# Altium PCB Center Console.PcbDoc
Units mm, origin at the board's own origin, x right, y up, seen from the top; angles counter-clockwise.
Board outline 100 x 60 mm, 2 copper layers (Top Layer, Bottom Layer); 89 components, 112 nets, 366 pads, 273 vias.
Unrouted connection lines stored in the file: 73.
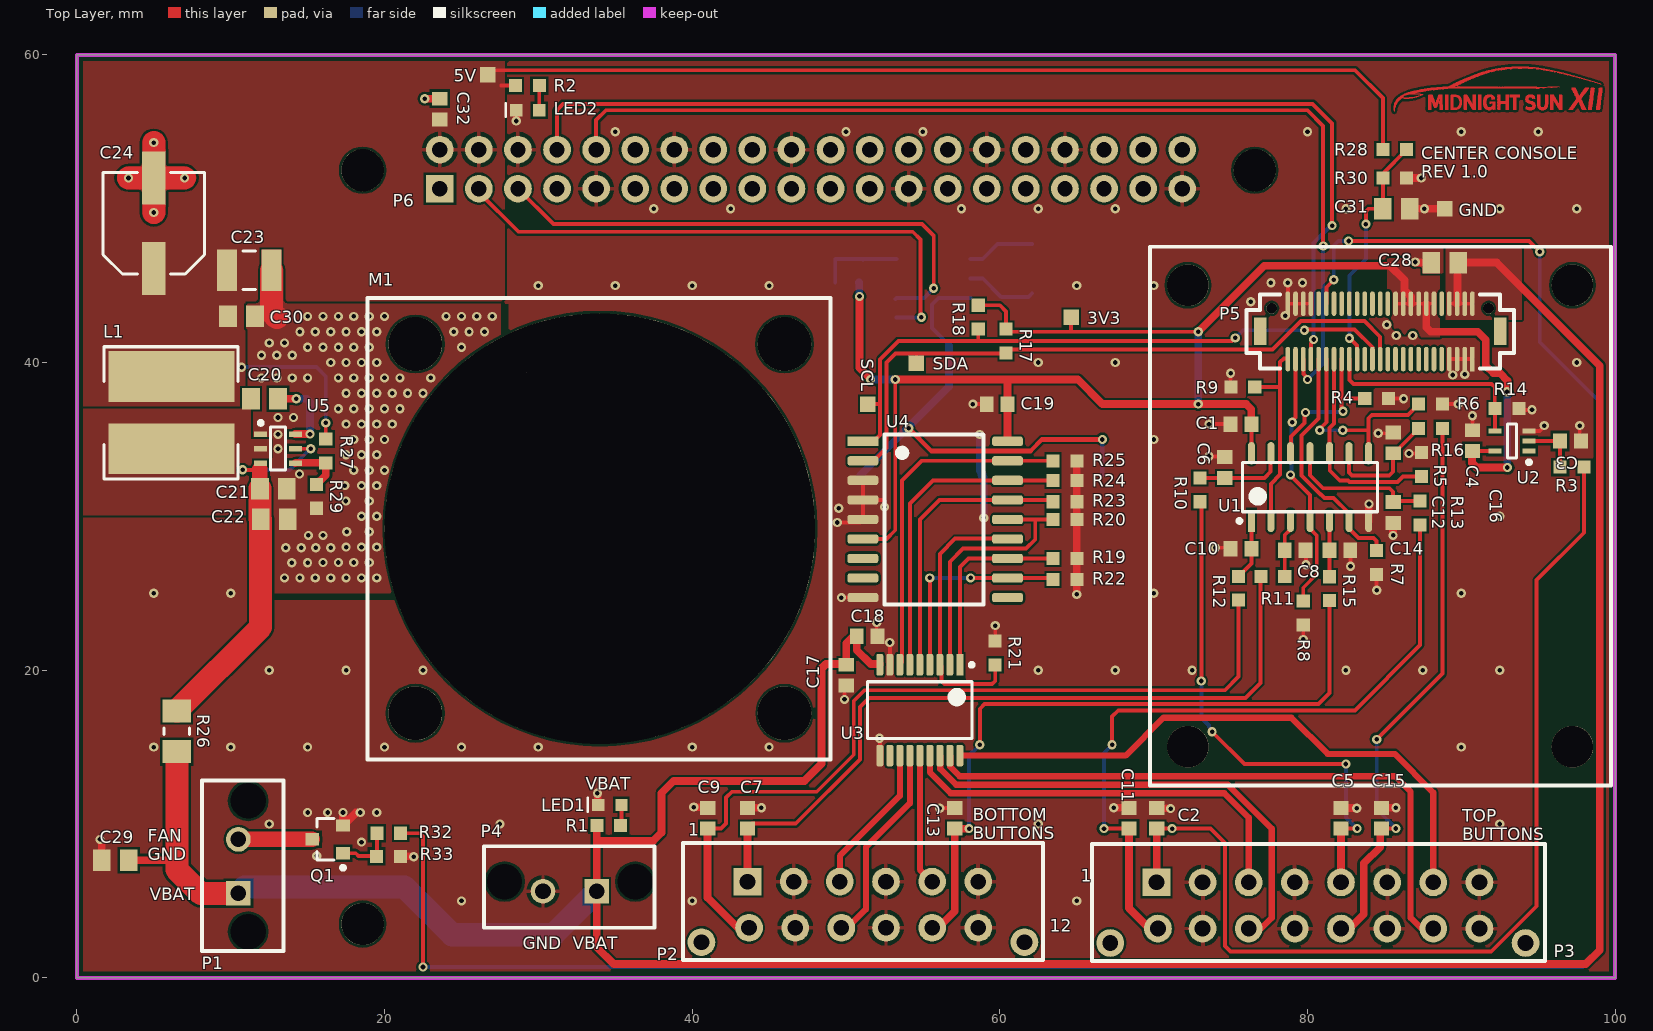
[diagram p0: Top Layer view]
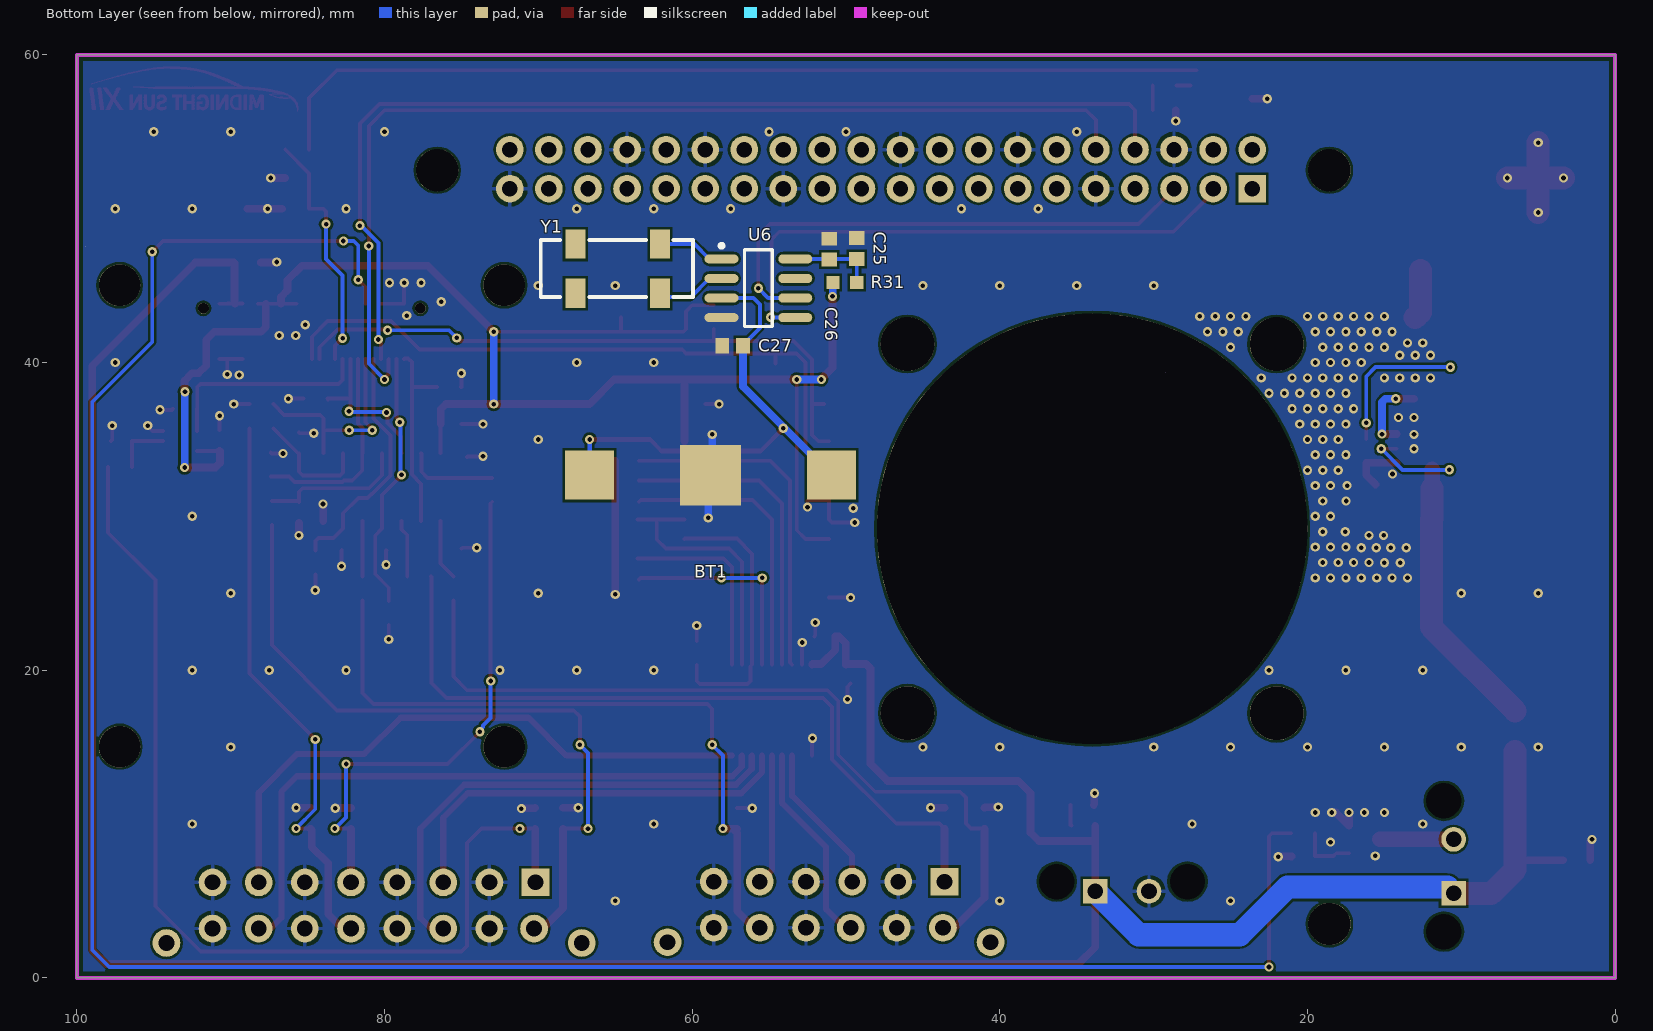
[diagram p1: Bottom Layer view, seen from below]

## Layer stack, top to bottom
Top Solder: solder mask 0.0102, Solder Resist, Dk 3.5
Top Layer: signal copper 0.0356
Dielectric 1: dielectric 0.32, FR-4, Dk 4.8
Bottom Layer: signal copper 0.0356
Bottom Solder: solder mask 0.0102, Solder Resist, Dk 3.5

## Board outline
0,0 0,60 100,60 100,0
cut-out: 99.443,47.525
cut-out: 29.224,39.37

## Design rules (kind name [scope] priority, off if disabled: settings)
BoardOutlineClearance [All] p1: gap=0.406 ignorepadtopadclearanceinfootprint=FALSE
Clearance [All] p1: gap=0.152 ignorepadtopadclearanceinfootprint=FALSE except(0: Arc-Hole Track-Hole SMDPad-Hole THPad-Hole Via-Hole Fill-Hole Poly-Hole Region-Hole Text-Hole)
ComponentClearance ComponentClearance_RaspPi [Identifier= 'Raspberry Pi 3'] p1: gap=0 collisioncheckmode=3 verticalgap=0 showdistances=FALSE
ComponentClearance ComponentClearance_NetTies [HasFootprint('NET TIE 0.25MM')] p2: gap=0 collisioncheckmode=3 verticalgap=0 showdistances=FALSE
ComponentClearance ComponentClearance_ControllerBoard [InComponent('P5') vs Identifier = 'Controller_Board'] p3: gap=0 collisioncheckmode=3 verticalgap=0 showdistances=FALSE
ComponentClearance ComponentClearance_Standoffs [Identifier = 'Standoff' vs Identifier = 'Controller_Board'] p4: gap=0 collisioncheckmode=3 verticalgap=0 showdistances=FALSE
ComponentClearance [All] p5: gap=0.254 collisioncheckmode=3 verticalgap=0.254 showdistances=FALSE
HoleSize [All] p1: absolutevalues=TRUE maxlimit=6.3 minlimit=0.3 maxpercent=80.000 minpercent=20.000
MinimumAnnularRing [All] p1: minimumring=0.15
MinimumSolderMaskSliver [All] p1: minsoldermaskwidth=0.3
PolygonConnect [IsPad and OnMultiLayer] p1: connectstyle=Relief reliefconductorwidth=0.254 reliefentries=4 polygonreliefangle="90 Angle" airgapwidth=0.254
PolygonConnect PolygonConnect_NoThermal [All] p2: connectstyle=Direct reliefconductorwidth=0.254 reliefentries=4 polygonreliefangle="90 Angle" airgapwidth=0.254
RoutingVias [All] p1: holewidth=0.3 width=0.6 viastyle="Through Hole" minholewidth=0.3 minwidth=0.6 maxholewidth=0.711 maxwidth=1.27
SilkToSolderMaskClearance [IsPad] p1: minsilkscreentomaskgap=0.178 clearancetoexposedcopper=TRUE
SolderMaskExpansion [All] p1: expansion=0.102
Width [All] p1: maxlimit=2.54 minlimit=0.152 preferedwidth=0.254
26 further rules are at their usual default settings.

## Classes and differential pairs
component class rPi: BT1 C20 C21 C22 C23 C24 C25 C26 C27 C29 C30 C31 C32 L1 M1 P6 Q1 R26 R27 R28 R29 R30 R31 R32 R33 U5 U6 Y1
component class leds: C17 C18 C19 R17 R18 R19 R20 R21 R22 R23 R24 R25 U3 U4
component class connectors: 3V3 5V C28 GND LED1 LED2 NT1 NT2 NT3 NT4 NT5 NT6 NT7 NT8 NT9 NT10 NT11 NT12 NT13 NT14 P1 P2 P3 P4 P5 R1 R2 SCL SDA
component class buttons: C1 C2 C3 C4 C5 C6 C7 C8 C9 C10 C11 C12 C13 C14 C15 C16 R3 R4 R5 R6 R7 R8 R9 R10 R11 R12 R13 R14 R15 R16 U1 U2

## Components (designator, comment, footprint, x,y, rotation, side; value= is the part's Value field where it differs from the comment)
3V3 "Test Point" "Test Point" 64.635,42.938 r90 top (schematic designator TP2)
5V "Test Point" "Test Point" 26.717,58.7 r90 top (schematic designator TP3)
BT1 "HOLDER BATTERY COIN 12MM DIA" "HOLDER COIN CELL 1220 3V" 50.93,32.675 r0 bottom
C1 "CAP CER 0.1UF 50V 10% X7R 0603" "CAP, 0603" 75.68,36 r180 top
C2 "CAP CER 10nF 50V 5% X7R 0603" "CAP, 0603" 70.2,10.375 r90 top
C3 "CAP CER 0.1UF 50V 10% X7R 0603" "CAP, 0603" 97.1,34.9 r0 top
C4 "CAP CER 0.1UF 50V 10% X7R 0603" "CAP, 0603" 90.725,34.925 r90 top
C5 "CAP CER 10nF 50V 5% X7R 0603" "CAP, 0603" 82.18,10.375 r90 top
C6 "CAP CER 0.1UF 50V 10% X7R 0603" "CAP, 0603" 74.628,33.175 r90 top
C7 "CAP CER 10nF 50V 5% X7R 0603" "CAP, 0603" 43.6,10.375 r90 top
C8 "CAP CER 0.1UF 50V 10% X7R 0603" "CAP, 0603" 79.2,27.8 r0 top
C9 "CAP CER 10nF 50V 5% X7R 0603" "CAP, 0603" 41,10.375 r90 top
C10 "CAP CER 0.1UF 50V 10% X7R 0603" "CAP, 0603" 75.68,27.9 r180 top
C11 "CAP CER 10nF 50V 5% X7R 0603" "CAP, 0603" 68.4,10.375 r90 top
C12 "CAP CER 0.1UF 50V 10% X7R 0603" "CAP, 0603" 85.565,30.25 r270 top
C13 "CAP CER 10nF 50V 5% X7R 0603" "CAP, 0603" 57.075,10.375 r90 top
C14 "CAP CER 0.1UF 50V 10% X7R 0603" "CAP, 0603" 82.105,27.8 r0 top
C15 "CAP CER 10nF 50V 5% X7R 0603" "CAP, 0603" 84.815,10.375 r90 top
C16 "CAP CER 0.1UF 50V 10% X7R 0603" "CAP, 0603" 85.565,34.775 r90 top
C17 "CAP CER 1UF 50V 10% X7R 0603" "CAP, 0603" 50.025,19.675 r270 top
C18 "CAP CER 0.1UF 50V 10% X7R 0603" "CAP, 0603" 51.375,22.2 r0 top
C19 "CAP CER 0.1UF 50V 10% X7R 0603" "CAP, 0603" 59.825,37.3 r180 top
C20 "CAP CER 0.1UF 100V 10% X7R 0805" "CAP, 0805" 12.2,37.65 r180 top
C21 "CAP CER 22UF 35V X5R 0805" "CAP, 0805" 12.775,31.8 r0 top
C22 "CAP CER 0.1UF 100V 10% X7R 0805" "CAP, 0805" 12.825,29.8 r0 top
C23 "CAP CER 47UF 6.3V X7R 1210" 1210 11.2,46 r0 top
C24 "47UF" "CAP ALUM 6.3MM RADIAL SMD" 5,49.05 r90 top
C25 "CAP CER 2.2UF 25V 10% X5R 0603" "CAP, 0603" 49.3,47.41 r90 bottom
C26 "CAP CER 1UF 50V 10% X7R 0603" "CAP, 0603" 51.1,47.375 r90 bottom
C27 "CAP CER 1UF 50V 10% X7R 0603" "CAP, 0603" 57.375,41.1 r0 bottom
C28 "CAP CER 10uF 25V 10% X5R 0805" "CAP, 0805" 88.925,46.5 r180 top
C29 "CAP CER 10uF 25V 10% X5R 0805" "CAP, 0805" 2.5,7.65 r180 top
C30 "CAP CER 0.1UF 100V 10% X7R 0805" "CAP, 0805" 10.7,43 r0 top
C31 "CAP CER 0.1UF 100V 10% X7R 0805" "CAP, 0805" 85.775,50 r0 top
C32 "CAP CER 0.1UF 50V 10% X7R 0603" "CAP, 0603" 23.589,56.475 r90 top
GND "Test Point" "Test Point" 88.925,50 r90 top (schematic designator TP1)
L1 "IND 3.3uH 5.2A 20MOHM SMD" "IND 3.3UH 5.2A 20 MOHM SMD VLP8040" 6.15,34.4 r90 top
LED1 "LED GREEN CLEAR 2V 0603" LED_0603 35.35,11.25 r180 top
LED2 "LED BLUE CLEAR 2.8V 0603" LED_0603 30.013,56.41 r180 top
M1 "FAN AXIAL 30x10MM 12VDC" "FAN AXIAL 30X10MM 12VDC" 22,41.2 r0 top
P1 "CONN 2POS ULTRA-FIT NATURAL COLOR 0.138\"" "CONN, 2POS ULTRA-FIT - NATURAL COLOR" 10.5,5.5 r90 top locked
P2 "CONN 12POS MICRO-FIT 3mm" "CONN, 12POS MICRO-FIT 3mm" 43.6,6.255 r180 top
P3 "CONN 16POS MICRO-FIT 3mm" "CONN, 16POS MICRO-FIT 3MM" 70.18,6.205 r180 top locked
P4 "CONN 2POS ULTRA-FIT 0.138\"" "CONN, 2POS ULTRA-FIT" 33.8,5.625 r180 top
P5 "CONN 50POS Bergstak Plug 0.02\"" "CONN, BERGSTAK 50 POS PLUG" 84.725,42.025 r270 top locked
P6 "CONN 40POS RECEPTACLE 2.54 mm" "CONN 40POS RECEPTACLE 2.54 MM" 23.595,51.3 r0 top locked
Q1 "MOSFET N-CH 30V 6.2A 0.9W SOT-23" "MOSFET N-CH 30V 6.2A 0.9W SOT-23" 16.3,9 r180 top
R1 "RES 10K OHM 1% 1/10W 0603" "RES, 0603" 34.575,9.895 r0 top
R2 "RES 10K OHM 1% 1/10W 0603" "RES, 0603" 29.288,58 r0 top
R3 "1K" "RES, 0603" 97.2,33.2 r180 top
R4 "RES 10K OHM 1% 1/10W 0603" "RES, 0603" 84.5,37.65 r0 top
R5 "RES 10K OHM 1% 1/10W 0603" "RES, 0603" 87.4,33.375 r90 top
R6 "RES 10K OHM 1% 1/10W 0603" "RES, 0603" 88,37.3 r0 top
R7 "RES 10K OHM 1% 1/10W 0603" "RES, 0603" 84.5,27 r270 top
R8 "RES 10K OHM 1% 1/10W 0603" "RES, 0603" 79.725,23.725 r270 top
R9 "RES 10K OHM 1% 1/10W 0603" "RES, 0603" 75.8,38.4 r180 top
R10 "1K" "RES, 0603" 73,31.725 r90 top
R11 "1K" "RES, 0603" 77.75,26.1 r0 top
R12 "1K" "RES, 0603" 75.515,25.325 r90 top
R13 "1K" "RES, 0603" 87.325,30.225 r90 top
R14 "RES 10K OHM 1% 1/10W 0603" "RES, 0603" 92.975,37 r0 top
R15 "1K" "RES, 0603" 81.43,25.3 r90 top
R16 "1K" "RES, 0603" 88,35.7 r180 top
R17 "RES 4.7K OHM 1% 1/10W 0603" "RES, 0603" 60.4,41.4 r270 top
R18 "RES 4.7K OHM 1% 1/10W 0603" "RES, 0603" 58.6,42.95 r270 top
R19 "RES 10K OHM 1% 1/10W 0603" "RES, 0603" 64.235,27.26 r0 top
R20 "RES 10K OHM 1% 1/10W 0603" "RES, 0603" 64.235,29.8 r0 top
R21 "RES 10K OHM 1% 1/10W 0603" "RES, 0603" 59.7,21.125 r90 top
R22 "RES 10K OHM 1% 1/10W 0603" "RES, 0603" 64.235,25.9 r0 top
R23 "RES 10K OHM 1% 1/10W 0603" "RES, 0603" 64.235,30.95 r0 top
R24 "RES 10K OHM 1% 1/10W 0603" "RES, 0603" 64.235,32.34 r0 top
R25 "RES 10K OHM 1% 1/10W 0603" "RES, 0603" 64.235,33.61 r0 top
R26 "RES 0.006 OHM 1% 1/2W 1206" "RES 1206" 6.5,16.025 r90 top
R27 "RES 54.9K OHM 1% 1/10W 0603" "RES, 0603" 16.177,34.25 r270 top
R28 "RES 10K OHM 1% 1/10W 0603" "RES, 0603" 85.675,53.84 r0 top
R29 "RES 10K OHM 1% 1/10W 0603" "RES, 0603" 15.575,31.3 r270 top
R30 "RES 10K OHM 1% 1/10W 0603" "RES, 0603" 85.675,52 r0 top
R31 "1K" "RES, 0603" 50.075,45.2 r180 bottom
R32 "RES 100 OHM 1% 1/10W 0603" "RES, 0603" 20.275,9.4 r180 top
R33 "RES 10K OHM 1% 1/10W 0603" "RES, 0603" 20.25,7.9 r0 top
SCL "Test Point" "Test Point" 51.423,37.3 r90 top (schematic designator TP5)
SDA "Test Point" "Test Point" 54.572,39.95 r90 top (schematic designator TP4)
U1 "IC INVERTER SCHMITT 6CH 14TSSOP" "IC INVERTER SCHMITT 6CH 14TSSOP" 80.165,31.9 r90 top
U2 "IC INVERTER SCHMITT 1CH SC70-5" "IC INVERTER SCHMITT 1CH SC70-5" 93.3,34.9 r180 top
U3 "IC LOAD SWITCH 8CH 0.5A 18SOP" "IC LOAD SWITCH 8CH 0.5A 18-SSOP" 54.8,17.4 r270 top
U4 "MCP23008" "IC 18SOIC" 51.1,34.88 r270 top
U5 "IC REG BUCK 4.5V TO 17V, 5A, SYNCHRONOUS STE" "IC REG BUCK 4.5V TO 17V, 5A" 13.075,34.4 r0 top
U6 "IC RTC CLK/CALENDAR I2C 8-SOIC" SOIC8 55.7,44.8 r180 bottom
Y1 "CRYSTAL 32.7680KHZ 12.5PF SMD" 4-SOJ 62.1,47.7 r0 bottom

## Footprints (in the part's own frame and the unit in brackets; to place one, negate y for a bottom-side part, rotate by r counter-clockwise, add the part's x,y. Pads: shape width x height; smd on the part's side, far side on the other; paste and mask are expansions set on the pad)
4-SOJ [mm]
  rect 1.3x1.9 smd: 1(0,0) 2(5.5,0) 3(5.5,3.2) 4(0,3.2)
  silkscreen extent -2.16,-0.25 7.75,3.43
1210 [mm]
  rect 1.3x2.7 smd: 1(-1.441,-0.01) 2(1.459,-0.01)
  silkscreen extent -0.39,-1.26 0.41,1.24, body extent -1.69,-1.36 1.71,1.34, height 1.5
"CAP ALUM 6.3MM RADIAL SMD" [mm] "Aluminum Electrolytic Capacitor, Body 6.50x6.50x5.50mm, IPC Low Density"
  rect 3.45x1.55 smd: 1(-2.95,0) 2(2.95,0)
  silkscreen extent -3.3,-3.3 3.3,3.3, body extent -3.9,-3.3 3.9,3.3, height 5.5
"CAP, 0603" [mm] "Chip Capacitor, 2-Leads, Body 1.60x0.81mm, IPC Medium Density"
  rect 0.9x1 smd mask+0.076: 1(-0.675,0) 2(0.675,0)
  body extent -0.87,-0.48 0.87,0.48, height 0.9
"CAP, 0805" [mm] "Chip Capacitor, 2-Leads, Body 2.00x1.25mm, IPC Medium Density"
  rect 1.15x1.4 smd: 1(-0.875,0) 2(0.875,0)
  body extent -1,-0.63 1,0.63, height 1.25
"CONN 40POS RECEPTACLE 2.54 MM" [mm] "gpio header for raspberry pi"
  rect 1.8x1.8 hole 1: 1(0,0)
  round 1.8 hole 1: 2(0,2.54) 3(2.54,0) 4(2.54,2.54) 5(5.08,0) 6(5.08,2.54) 7(7.62,0) 8(7.62,2.54) 9(10.16,0) 10(10.16,2.54) 11(12.7,0) 12(12.7,2.54) 13(15.24,0) 14(15.24,2.54) 15(17.78,0) 16(17.78,2.54) 17(20.32,0) 18(20.32,2.54) 19(22.86,0) 20(22.86,2.54) 21(25.4,0) 22(25.4,2.54) 23(27.94,0) 24(27.94,2.54) 25(30.48,0) 26(30.48,2.54) 27(33.02,0) 28(33.02,2.54) 29(35.56,0) 30(35.56,2.54) 31(38.1,0) 32(38.1,2.54) 33(40.64,0) 34(40.64,2.54) 35(43.18,0) 36(43.18,2.54) 37(45.72,0) 38(45.72,2.54) 39(48.26,0) 40(48.26,2.54)
  body extent -2.02,-1.28 49.5,4.52, height 2.55
"CONN, 2POS ULTRA-FIT" [mm] "2 Positions Header, Shrouded Connector 0.138\" (3.50mm) Through Hole Gold"
  rect 1.6x1.6 hole 1.02: 1(0,0)
  round 1.6 hole 1.02: 2(3.5,0)
  round 1.6 hole 2.3: ""(-2.5,-0.63) ""(6,-0.63)
  silkscreen extent -3.74,-2.93 7.33,2.37, body extent -3.48,-2.87 7.12,5.79, height 13.85
"CONN, 2POS ULTRA-FIT - NATURAL COLOR" [mm] "2 Positions Header, Shrouded Connector 0.138\" (3.50mm) Through Hole Gold"
  rect 1.6x1.6 hole 1.02: 1(0,0)
  round 1.6 hole 1.02: 2(3.5,0)
  round 1.6 hole 2.3: ""(-2.5,-0.63) ""(6,-0.63)
  silkscreen extent -3.74,-2.93 7.33,2.37, body extent -3.48,-2.87 7.12,5.79, height 13.85
"CONN, 12POS MICRO-FIT 3mm" [mm]
  round 1.8 hole 1.02: 0(-18,3.94) 0(3,3.94) 2(-3,0) 3(-6,0) 4(-9,0) 5(-12,0) 6(-15,0) 7(-0.1,3) 8(-3.1,3) 9(-6.1,3) 10(-9,3) 11(-12,3) 12(-15,3)
  rect 1.8x1.8 hole 1.02: 1(0,0)
  silkscreen extent -19.2,-2.5 4.2,5.1, body extent -18.57,-2.5 3.58,6.27, height 9.95
"CONN, 16POS MICRO-FIT 3MM" [mm]
  round 1.8 hole 1.02: 0(-24,3.94) 0(3,3.94) 2(-3,0) 3(-6,0) 4(-9,0) 5(-12,0) 6(-15,0) 7(-18,0) 8(-21,0) 9(-0.1,3) 10(-3,3) 11(-6,3) 12(-9,3) 13(-12,3) 14(-15,3) 15(-18,3) 16(-21,3)
  rect 1.8x1.8 hole 1.02: 1(0,0)
  silkscreen extent -25.25,-2.5 4.2,5.1, body extent -24.58,-2.52 3.58,6.25, height 9.95
"CONN, BERGSTAK 50 POS PLUG" [mm] "Bergstak 50 Position Plug"
  rect 1.6x0.3 smd: 1(1.8,6)
  oval 1.6x0.3 smd: 2(1.8,5.5) 3(1.8,5) 4(1.8,4.5) 5(1.8,4) 6(1.8,3.5) 7(1.8,3) 8(1.8,2.5) 9(1.8,2) 10(1.8,1.5) 11(1.8,1) 12(1.8,0.5) 13(1.8,0) 14(1.8,-0.5) 15(1.8,-1) 16(1.8,-1.5) 17(1.8,-2) 18(1.8,-2.5) 19(1.8,-3) 20(1.8,-3.5) 21(1.8,-4) 22(1.8,-4.5) 23(1.8,-5) 24(1.8,-5.5) 25(1.8,-6) 26(-1.8,-6) 27(-1.8,-5.5) 28(-1.8,-5) 29(-1.8,-4.5) 30(-1.8,-4) 31(-1.8,-3.5) 32(-1.8,-3) 33(-1.8,-2.5) 34(-1.8,-2) 35(-1.8,-1.5) 36(-1.8,-1) 37(-1.8,-0.5) 38(-1.8,0) 39(-1.8,0.5) 40(-1.8,1) 41(-1.8,1.5) 42(-1.8,2) 43(-1.8,2.5) 44(-1.8,3) 45(-1.8,3.5) 46(-1.8,4) 47(-1.8,4.5) 48(-1.8,5) 49(-1.8,5.5) 50(-1.8,6)
  round 0.7 hole 0.7: ""(-1.5,7.05) ""(-1.5,-7.05)
  rect 1.8x0.8 smd: ""(0,7.8) ""(0,-7.8)
  silkscreen extent -2.4,-8.7 2.4,8.7, body extent -2.3,-7.75 2.3,7.75, height 4.2
"FAN AXIAL 30X10MM 12VDC" [mm]
  round 3.5 hole 3.5: 1(0,-24) 1(0,0) 1(24,-24) 1(24,0)
  round 28 hole 28: 4(12,-12)
  silkscreen extent -3.1,-27 27,3, body extent -3.1,-27 27,3, height 10.05
"HOLDER COIN CELL 1220 3V" [mm] "12mm smd coin cell holder"
  rect 3.18x3.18 smd: 1(0,0) 3(15.74,0)
  rect 3.96x3.96 smd: 2(7.87,0)
  body extent -1.6,-6.92 17.34,5.14, height 3.43
"IC 18SOIC" [mm]
  rect 0.6x2 smd: 1(0,0)
  rrect50% 0.6x2 smd: 2(1.27,0) 3(2.54,0) 4(3.81,0) 5(5.08,0) 6(6.35,0) 7(7.62,0) 8(8.89,0) 9(10.16,0) 10(10.16,9.4) 11(8.89,9.4) 12(7.62,9.4) 13(6.35,9.4) 14(5.08,9.4) 15(3.81,9.4) 16(2.54,9.4) 17(1.27,9.4) 18(0,9.4)
  silkscreen extent -0.45,1.4 10.6,7.85, body extent -0.62,-0.38 10.72,9.78, height 2
"IC INVERTER SCHMITT 1CH SC70-5" [mm] "Inverter IC 1 Channel Schmitt Trigger SC-70-5"
  rect 0.85x0.35 smd: 1(-1.1,0.65) 2(-1.1,0) 3(-1.1,-0.65) 4(1.1,-0.65) 5(1.1,0.65)
  silkscreen extent -1.23,-1.1 0.3,1.5, body extent -1.2,-1.07 1.2,1.07, height 1.1
"IC INVERTER SCHMITT 6CH 14TSSOP" [mm]
  rect 1.45x0.45 smd: 1(-2.2,3.81)
  oval 1.45x0.45 smd: 2(-2.2,2.54) 3(-2.2,1.27) 4(-2.2,0) 5(-2.2,-1.27) 6(-2.2,-2.54) 7(-2.2,-3.81) 8(2.2,-3.81) 9(2.2,-2.54) 10(2.2,-1.27) 11(2.2,0) 12(2.2,1.27) 13(2.2,2.54) 14(2.2,3.81)
  silkscreen extent -2.32,-4.4 1.6,4.71, body extent -3,-4.4 3,4.4, height 1.75
"IC LOAD SWITCH 8CH 0.5A 18-SSOP" [mm] "TSOP, 18-Leads, Body 6.70x4.40mm, Pitch 0.65mm, IPC Medium Density"
  rect 1.4x0.45 smd: 1(-2.95,2.6)
  rrect50% 1.4x0.45 smd: 2(-2.95,1.95) 3(-2.95,1.3) 4(-2.95,0.65) 5(-2.95,0) 6(-2.95,-0.65) 7(-2.95,-1.3) 8(-2.95,-1.95) 9(-2.95,-2.6) 10(2.95,-2.6) 11(2.95,-1.95) 12(2.95,-1.3) 13(2.95,-0.65) 14(2.95,0) 15(2.95,0.65) 16(2.95,1.3) 17(2.95,1.95) 18(2.95,2.6)
  silkscreen extent -3.07,-3.4 1.85,3.5, body extent -3.2,-3.4 3.2,3.4, height 1.55
"IC REG BUCK 4.5V TO 17V, 5A" [mm] "Buck Switching Regulator IC Positive Adjustable 0.6V 1 Output 5A SOT-23-6 Thin, TSOT-23-6"
  rect 0.85x0.35 smd: 1(-1.125,0.95) 2(-1.125,0) 3(-1.125,-0.95) 4(1.125,-0.95) 5(1.125,0) 6(1.125,0.95)
  silkscreen extent -1.25,-1.4 0.5,1.8, body extent -1.53,-1.38 1.53,1.38, height 1.1
"IND 3.3UH 5.2A 20 MOHM SMD VLP8040" [mm] "IND 3.3UH 5.2A 20 MOHM SMD"
  rect 3.3x8.2 smd: 1(0,0) 2(4.7,0)
  silkscreen extent -1.97,-4.32 6.63,4.38, body extent -1.62,-4.67 6.98,3.93, height 4.1
LED_0603 [mm]
  rect 0.8x0.8 smd: 1(-0.05,0.01) 2(1.45,0.01)
  silkscreen extent 2.13,-0.46 2.13,0.45, body extent -0.09,-0.39 1.51,0.41, height 0.8
"MOSFET N-CH 30V 6.2A 0.9W SOT-23" [mm] "SOT23, 3-Leads, Body 2.90x2.40mm, Pitch 0.90mm, IPC Medium Density"
  rect 0.9x0.8 smd: 1(-1,0.9) 2(-1,-0.9) 3(1,0)
  silkscreen extent -1.13,-1.35 0.7,1.97, body extent -1.25,-1.5 1.25,1.5, height 1.1
"RES 1206" [mm] "Chip Resistor, 2-Leads, Body 3.20x1.60mm, IPC Medium Density"
  rect 1.5x1.85 smd: 1(-1.325,0) 2(1.325,0)
  silkscreen extent -0.2,-0.82 0.2,0.82, body extent -1.73,-0.92 1.73,0.92, height 0.64
"RES, 0603" [mm] "Chip Resistor, 2-Leads, Body 1.60x0.80mm, IPC Medium Density"
  rect 0.85x0.85 smd: 1(-0.775,0) 2(0.775,0)
  body extent -0.8,-0.4 0.8,0.4, height 0.55
SOIC8 [mm]
  oval 2.2x0.6 smd: 1(-2.394,1.935) 2(-2.394,0.665) 3(-2.394,-0.605) 4(-2.394,-1.875) 5(2.406,-1.875) 6(2.406,-0.605) 7(2.406,0.665) 8(2.406,1.935)
  silkscreen extent -2.52,-2.47 0.91,2.91, body extent -1.99,-2.47 2.01,2.53, height 1.75
"Test Point" [mm]
  rect 1x1 smd paste-2: TP(0,0)

## Part data
BT1: "Coin cell holder smd", Manufacturer="Keystone Electronics", Manufacturer Part Number=3000, Package Quantity=100, Supplier Part Number 1=36-3000-ND, Body Material=Bronze, ComponentLink1Description=https://datasheet.ciiva.com/3/3000-3953.pdf, ComponentLink1URL=https://datasheet.ciiva.com/3/3000-3953.pdf, ComponentLink2Description=https://datasheet.ciiva.com/11714/0900766b8002ef78-11714721.pdf, ComponentLink2URL=https://datasheet.ciiva.com/11714/0900766b8002ef78-11714721.pdf, ComponentLink3Description=https://datasheet.ciiva.com/20221/18-3570e-20221596.pdf, ComponentLink3URL=https://datasheet.ciiva.com/20221/18-3570e-20221596.pdf, ComponentLink4Description=https://datasheet.ciiva.com/1391/1718262-1391630.pdf, ComponentLink4URL=https://datasheet.ciiva.com/1391/1718262-1391630.pdf, Contact Material=Bronze,Nickel, Contact Plating=Nickel, Diameter=12mm, Height=3.17mm, Lead Free="Lead Free", Material=Bronze, Mount="Surface Mount,PCB", Number of Batteries=1, Number of Cells=1, Packaging=Bulk, Pricing 1="1=0.58, 10=0.545, 50=0.4356, 100=0.4175, 250=0.38116, 500=0.363, 1000=0.30495, 2500=0.27225, 5000=0.26318 (USD)", REACH SVHC="No SVHC", Stock 1=17093, Supplier 1=Digi-Key, Termination=SMD/SMT
C1 C3 C4 C6 C8 C10 C12 C14 C16 C18 C19 C32: "0.10µF ±10% 50V Ceramic Capacitor X7R 0603 (1608 Metric)", Capacitance=0.1µF, Manufacturer 1="AVX Corporation", Manufacturer Part Number 1=06035C104KAT2A, Operating Temperature="-55°C ~ 125°C", Package / Case="0603 (1608 Metric)", Ratings=-, Supplier Part Number 1=478-5052-1-ND, Temperature Coefficient=X7R, Tolerance=±10%, Voltage=50V, ComponentLink1Description=http://datasheets.avx.com/X7RDielectric.pdf, ComponentLink1URL=http://datasheets.avx.com/X7RDielectric.pdf, Height - Seated (Max)=-, Lead Spacing=-, Lead Style=-, Mounting Type="Surface Mount, MLCC", Packaging="Cut Tape (CT)", Part Status=Active, Size / Dimension="0.063\" L x 0.032\" W (1.60mm x 0.81mm)", Supplier 1=Digi-Key, Thickness (Max)="0.035\" (0.90mm)"
C2 C5 C7 C9 C11 C13 C15: "10000pF ±5% 50V Ceramic Capacitor U2J 0603 (1608 Metric)", Capacitance=10000pF, Manufacturer 1=KEMET, Manufacturer Part Number 1=C0603C103J5JAC7867, Operating Temperature="-55°C ~ 125°C", Package / Case="0603 (1608 Metric)", Ratings=-, Supplier Part Number 1=399-13384-1-ND, Temperature Coefficient=U2J, Tolerance=±5%, Voltage=50V, ComponentLink1Description=http://www.kemet.com/docfinder?Partnumber=C0603C103J5JAC7867, ComponentLink1URL=http://www.kemet.com/docfinder?Partnumber=C0603C103J5JAC7867, Failure Rate=-, Height - Seated (Max)=-, Lead Spacing=-, Lead Style=-, Mounting Type="Surface Mount, MLCC", Packaging="Cut Tape (CT)", Part Status=Active, Size / Dimension="0.063\" L x 0.032\" W (1.60mm x 0.80mm)", Supplier 1=Digi-Key, Thickness (Max)="0.034\" (0.87mm)"
C17 C26 C27: "1µF ±10% 50V Ceramic Capacitor X7R 0603 (1608 Metric)", Capacitance=1µF, Manufacturer 1="Taiyo Yuden", Manufacturer Part Number 1=UMK107AB7105KA-T, Operating Temperature="-55°C ~ 125°C", Package / Case="0603 (1608 Metric)", Ratings=-, Supplier Part Number 1=587-3247-1-ND, Temperature Coefficient=X7R, Tolerance=±10%, Voltage=50V, ComponentLink1Description=http://www.yuden.co.jp/productdata/catalog/en/mlcc_all_e.pdf, ComponentLink1URL=http://www.yuden.co.jp/productdata/catalog/en/mlcc_all_e.pdf, Height - Seated (Max)=-, Lead Spacing=-, Lead Style=-, Mounting Type="Surface Mount, MLCC", Packaging="Cut Tape (CT)", Part Status=Active, Size / Dimension="0.063\" L x 0.031\" W (1.60mm x 0.80mm)", Supplier 1=Digi-Key, Thickness (Max)="0.037\" (0.95mm)"
C20 C22 C30 C31: "0.1µF ±10% 100V Ceramic Capacitor X7R 0805 (2012 Metric)", Capacitance=0.1µF, Manufacturer 1="Murata Electronics North America", Manufacturer Part Number 1=GCM21BR72A104KA37L, Operating Temperature="-55°C ~ 125°C", Package / Case="0805 (2012 Metric)", Ratings=AEC-Q200, Supplier Part Number 1=490-4789-1-ND, Temperature Coefficient=X7R, Tolerance=±10%, Voltage=100V, ComponentLink1Description=http://www.murata.com/~/media/webrenewal/support/library/catalog/products/capacitor/mlcc/c03e.ashx, ComponentLink1URL=http://www.murata.com/~/media/webrenewal/support/library/catalog/products/capacitor/mlcc/c03e.ashx, Height - Seated (Max)=-, Lead Spacing=-, Lead Style=-, Mounting Type="Surface Mount, MLCC", Packaging="Cut Tape (CT)", Part Status=Active, Size / Dimension="0.079\" L x 0.049\" W (2.00mm x 1.25mm)", Supplier 1=Digi-Key, Thickness (Max)="0.055\" (1.40mm)"
C21: "22µF ±20% 35V Ceramic Capacitor X5R 0805 (2012 Metric)", Capacitance=22uF, Case/Package=0805, Case Code (Metric)=2012, Dielectric=X5R, Dielectric Material=Ceramic, Manufacturer=TDK, Manufacturer Part Number=C2012X5R1V226M125AC, Max Operating Temperature=85°C, Min Operating Temperature=-55°C, Package Quantity=2000, Supplier Part Number 1=445-14428-1-ND, Tolerance=20%, Voltage Rating=35V, Case Code (Imperial)=0805, ComponentLink1Description=https://product.tdk.com/info/en/catalog/spec/mlccspec_commercial_general_midvoltage_en.pdf, ComponentLink1URL=https://product.tdk.com/info/en/catalog/spec/mlccspec_commercial_general_midvoltage_en.pdf, Height=1.25mm, Lead Free="Lead Free", Length=0.079inch, Mount="Surface Mount", Packaging="Tape and Reel", Pricing 1="1 = 1.29000, 10 = 0.98100, 100 = 0.70190, 500 = 0.54338, 1000 = 0.46791 (USD)", REACH SVHC="No SVHC", RoHS=Yes, Stock 1=30, Supplier 1=Digi-Key, Termination=SMD/SMT, Thickness=0.057inch, Voltage Rating (DC)=35V, Weight=0.000194oz, Width=0.049inch
C23: "47µF ±10% 6.3V Ceramic Capacitor X7R 1210 (3225 Metric)", Capacitance=47uF, Case/Package=1210, Case Code (Metric)=3225, Dielectric=X7R, Manufacturer=Murata, Manufacturer Part Number=GCJ32ER70J476KE01L, Max Operating Temperature=125°C, Min Operating Temperature=-55°C, Package Quantity=1000, Ratings=AEC-Q200, Supplier Part Number 1=490-10559-1-ND, Tolerance=10%, Voltage Rating=6.3V, Case Code (Imperial)=1210, Features="Soft Termination", Height=2.5mm, Lead Free="Lead Free", Length=0.126inch, Mount="Surface Mount", Packaging="Tape and Reel", Pricing 1="1 = 1.53000, 10 = 1.21200, 100 = 0.90890, 500 = 0.68670 (USD)", RoHS=Yes, Stock 1=191399, Supplier 1=Digi-Key, Termination=SMD/SMT, Thickness=0.11inch, Voltage Rating (DC)=6.3V, Weight=0.00388oz, Width=0.098inch
C24: library part "CAP ALUM 47UF 20% 35V SMD", "47µF 35V Aluminum Electrolytic Capacitors Radial, Can - SMD 1000 Hrs @ 85°C", Capacitance=47uF, Case/Package=Radial, Manufacturer=Panasonic, Manufacturer Part Number=EEE-1VA470WP, Max Operating Temperature=85°C, Min Operating Temperature=-40°C, Package Quantity=1, Ripple Current=70mA, Supplier Part Number 1=PCE3961CT-ND, Tolerance=20%, Voltage Rating=35V, ComponentLink1Description=https://datasheet.ciiva.com/2983/aba0000ce2-2983926.pdf, ComponentLink1URL=https://datasheet.ciiva.com/2983/aba0000ce2-2983926.pdf, ComponentLink2Description=https://datasheet.ciiva.com/2983/aba0000ce2-2983927.pdf, ComponentLink2URL=https://datasheet.ciiva.com/2983/aba0000ce2-2983927.pdf, ComponentLink3Description=https://datasheet.ciiva.com/14598/70255710-14598937.pdf, ComponentLink3URL=https://datasheet.ciiva.com/14598/70255710-14598937.pdf, ComponentLink4Description=https://datasheet.ciiva.com/15165/getdatasheetpartid-86239-15165868.pdf, ComponentLink4URL=https://datasheet.ciiva.com/15165/getdatasheetpartid-86239-15165868.pdf, ComponentLink5Description=https://datasheet.ciiva.com/16507/aba0000ce2-16507965.pdf, ComponentLink5URL=https://datasheet.ciiva.com/16507/aba0000ce2-16507965.pdf, ComponentLink6Description=https://datasheet.ciiva.com/30206/11aba0000ce2-30206253.pdf, ComponentLink6URL=https://datasheet.ciiva.com/30206/11aba0000ce2-30206253.pdf, Contact Plating=Tin, Diameter=6.3mm, Height=5.4mm, Height - Seated (Max)=0.213inch, Lead Free="Lead Free", Length=5.5mm, Life (Hours)=1000Hour, Mount="Surface Mount,PCB", Packaging="Tape and Reel", Pricing 1="1=0.38, 10=0.263, 100=0.1579, 500=0.11846 (USD)", Radiation Hardening=No, REACH SVHC=Unknown, Ripple Current (AC)=70mA, Stock 1=2820, Supplier 1=Digi-Key, Termination=SMD/SMT, Voltage Rating (DC)=35V
C25: "2.2µF ±10% 25V Ceramic Capacitor X5R 0603 (1608 Metric)", Capacitance=2.2µF, Manufacturer 1="Murata Electronics North America", Manufacturer Part Number 1=GRM188R61E225KA12D, Operating Temperature="-55°C ~ 85°C", Package / Case="0603 (1608 Metric)", Ratings=-, Supplier Part Number 1=490-10731-1-ND, Temperature Coefficient=X5R, Tolerance=±10%, Voltage=25V, ComponentLink1Description=http://www.murata.com/~/media/webrenewal/support/library/catalog/products/capacitor/mlcc/c02e.ashx, ComponentLink1URL=http://www.murata.com/~/media/webrenewal/support/library/catalog/products/capacitor/mlcc/c02e.ashx, Height - Seated (Max)=-, Lead Spacing=-, Lead Style=-, Mounting Type="Surface Mount, MLCC", Packaging="Cut Tape (CT)", Part Status=Active, Size / Dimension="0.063\" L x 0.031\" W (1.60mm x 0.80mm)", Supplier 1=Digi-Key, Thickness (Max)="0.035\" (0.90mm)"
C28 C29: "10µF ±10% 25V Ceramic Capacitor X5R 0805 (2012 Metric)", Capacitance=10µF, Manufacturer="Murata Electronics North America", Manufacturer Part Number=GRM21BR61E106KA73L, Operating Temperature="-55°C ~ 85°C", Package / Case="0805 (2012 Metric)", Ratings=-, Supplier Part Number 1=490-5523-1-ND, Temperature Coefficient=X5R, Tolerance=±10%, Voltage - Rated=25V, Applications="General Purpose", Category=Capacitors, ComponentLink1Description=http://search.murata.co.jp/Ceramy/image/img/A01X/G101/ENG/GRM21BR61E106KA73-01.pdf, ComponentLink1URL=http://search.murata.co.jp/Ceramy/image/img/A01X/G101/ENG/GRM21BR61E106KA73-01.pdf, Features=-, Height - Seated (Max)=-, Lead Spacing=-, Lead Style=-, Mounting Type="Surface Mount, MLCC", Packaging="Cut Tape (CT)", Part Status=Active, Pricing 1="1=0.3, 10=0.214, 100=0.1008, 500=0.07068, 1000=0.05851 (CAD)", RoHS="RoHS Compliant", Size / Dimension="0.079\" L x 0.049\" W (2.00mm x 1.25mm)", Stock 1=1695157, Supplier 1=Digi-Key, Thickness (Max)="0.053\" (1.35mm)"
L1: "3.3µH Shielded Wirewound Inductor 5.2A 20 mOhm Max Nonstandard", Case/Package=Nonstandard, Current - Saturation=1.04A, Current Rating=1.37A, DC Resistance (DCR)="170 mOhm Max", Frequency - Self Resonant=-, Frequency - Test=1MHz, Inductance=3.3µH, Inductance Tolerance=30%, Manufacturer="TDK Corporation", Manufacturer Part Number=VLS201612CX-3R3M, Max DC Current=5.2A, Max Operating Temperature=105°C, Min Operating Temperature=-40°C, Operating Temperature="-40°C ~ 105°C", Package Quantity=1, Supplier Device Package=2016, Supplier Part Number 1=445-6581-1-ND, Test Frequency=100kHz, Tolerance=±20%, Category="Inductors, Coils, Chokes", ComponentLink1Description=http://product.tdk.com/en/catalog/datasheets/inductor_commercial_power_vls-cx_en.pdf, ComponentLink1URL=http://product.tdk.com/en/catalog/datasheets/inductor_commercial_power_vls-cx_en.pdf, ComponentLink2Description=http://www.mouser.com/ds/2/400/nductor_commercial_power_vlp8040_en-952627.pdf, ComponentLink2URL=http://www.mouser.com/ds/2/400/nductor_commercial_power_vlp8040_en-952627.pdf, Composition=Wirewound, Core Material=Ferrite, Depth=8.7mm, Height=4mm, Height - Seated (Max)="0.047\" (1.20mm)", Lead Free="Lead Free", Length=0.315inch, Material - Core=Ferrite, Military Standard=Not, Mount="Surface Mount", Mounting Type="Surface Mount", Package / Case=Nonstandard, Packaging="Cut Tape (CT)", Pricing 1="1 = 0.60000, 10 = 0.52700, 100 = 0.37660, 500 = 0.31636 (USD)", Q @ Freq=-, REACH SVHC="No SVHC", RMS Current (Irms)=5.2A, RoHS="RoHS Compliant", Saturation Current=5.2A, Shielding=Shielded, Size / Dimension="0.079\" L x 0.063\" W (2.00mm x 1.60mm)", Stock 1=8114, Supplier 1=Digi-Key, Termination=SMD/SMT, Type=Wirewound, Width=8mm
LED1: "Green 572nm LED Indication - Discrete 2V 0603 (1608 Metric)", Color=Green, Current - Test=20mA, Lens Color=Colorless, Manufacturer="Wurth Electronics Inc.", Manufacturer Part Number=150060VS75000, Millicandela Rating=40mcd, Package / Case="0603 (1608 Metric)", Supplier Device Package=0603, Supplier Part Number 1=732-4980-1-ND, Voltage - Forward (Vf) (Typ)=2V, Category=Optoelectronics, ComponentLink1Description=http://katalog.we-online.de/led/datasheet/150060VS75000.pdf, ComponentLink1URL=http://katalog.we-online.de/led/datasheet/150060VS75000.pdf, Features=-, Height (Max)=0.80mm, Lens Style/Size="Rectangle with Flat Top, 1.10mm x 0.70mm", Lens Transparency=Clear, Mounting Type="Surface Mount", Packaging="Cut Tape (CT)", Part Status=Active, Pricing 1="1=0.21, 100=0.1617, 500=0.13964 (CAD)", RoHS="RoHS Compliant", Size / Dimension="1.60mm L x 0.80mm W", Stock 1=9408, Supplier 1=Digi-Key, Viewing Angle=140°, Wavelength - Dominant=570nm, Wavelength - Peak=572nm
LED2: "Blue 470nm LED Indication - Discrete 2.8V 0603 (1608 Metric)", Color=Blue, Current - Test=5mA, Lens Color=Colorless, Manufacturer 1="Lite-On Inc.", Manufacturer Part Number 1=LTST-C193TBKT-5A, Millicandela Rating=15mcd, Package / Case="0603 (1608 Metric)", Supplier Device Package="Chip LED", Supplier Part Number 1=160-1827-1-ND, Voltage - Forward (Vf) (Typ)=2.8V, ComponentLink1Description=http://optoelectronics.liteon.com/upload/download/DS22-2004-060/P_100_LTST-C193TBKT-5A.pdf, ComponentLink1URL=http://optoelectronics.liteon.com/upload/download/DS22-2004-060/P_100_LTST-C193TBKT-5A.pdf, Height (Max)=0.45mm, Lens Style/Size="Rectangle with Flat Top, 1.15mm x 0.80mm", Lens Transparency=Clear, Mounting Type="Surface Mount", Packaging="Cut Tape (CT)", Part Status=Active, Size / Dimension="1.60mm L x 0.80mm W", Supplier 1=Digi-Key, Viewing Angle=130°, Wavelength - Dominant=470nm, Wavelength - Peak=468nm
M1: "FAN AXIAL 30X10MM 12VDC WIRE", Case/Package=Axial, Current Rating=50mA, Manufacturer="Delta Design", Manufacturer Part Number=ASB0312LA-CF00, Max Power Dissipation=600mW, Package Quantity=1440, Supplier Part Number 1=603-1728-ND, Airflow=3.2CFM, Bearing Type=Sleeve, ComponentLink1Description=http://www.delta-fan.com/Download/Spec/ASB0312LA-CF00.pdf, ComponentLink1URL=http://www.delta-fan.com/Download/Spec/ASB0312LA-CF00.pdf, Noise=21dBA, RoHS=Yes, RPM=8000RPM, Stock 1=2468, Supplier 1=Digi-Key, Termination="3 Wire Leads", Weight=0.016lb, Width=10mm
P1: "2 Positions Header, Shrouded Connector 0.138\" (3.50mm) Through Hole", Color=White, Current Rating=-, Insulation Color=Natural, Manufacturer 1="Molex, LLC", Manufacturer Part Number 1=1722872102, Material Flammability Rating="UL94 V-0", Operating Temperature="-40°C ~ 105°C", Supplier Part Number 1=WM11722-ND, Voltage=400V, ComponentLink1Description=http://www.molex.com/pdm_docs/sd/1722872102_sd.pdf, ComponentLink1URL=http://www.molex.com/pdm_docs/sd/1722872102_sd.pdf, Connector Type=Header, Contact Finish - Mating=Tin, Contact Finish - Post=Tin, Contact Finish Thickness - Mating="60µin (1.52µm)", Contact Finish Thickness - Post="60µin (1.52µm)", Contact Length - Mating=-, Contact Length - Post="0.126\" (3.20mm)", Contact Material="Copper Alloy", Contact Shape=Square, Contact Type="Male Pin", Fastening Type="Latch Holder", Ingress Protection=-, Insulation Height="0.465\" (11.80mm)", Insulation Material="Liquid Crystal Polymer (LCP)", Mated Stacking Heights=26.99mm, Mounting Type="Through Hole", Number of Positions=2, Number of Positions Loaded=All, Number of Rows=1, Overall Contact Length=-, Packaging=Tray, Part Status=Active, Pitch - Mating="0.138\" (3.50mm)", Row Spacing - Mating=-, Series=UltraFit, Shrouding="Shrouded - 4 Wall", Style="Board to Cable/Wire", Supplier 1=Digi-Key, Termination=Solder